# KiCad board alpha-curISO_routingv6.kicad_pcb
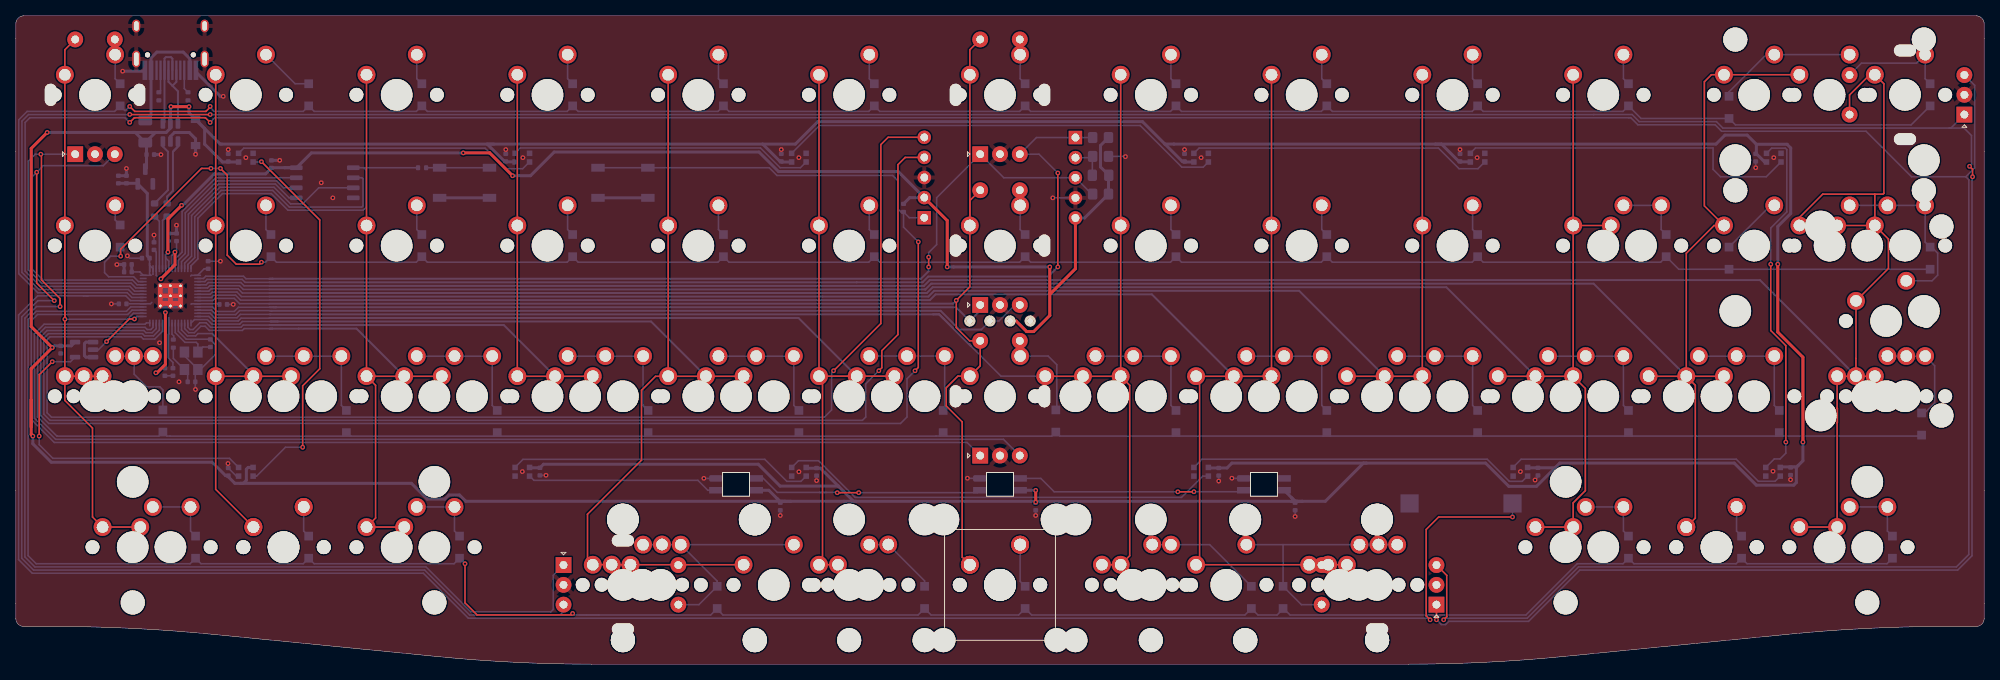
[diagram p0: board, top side]
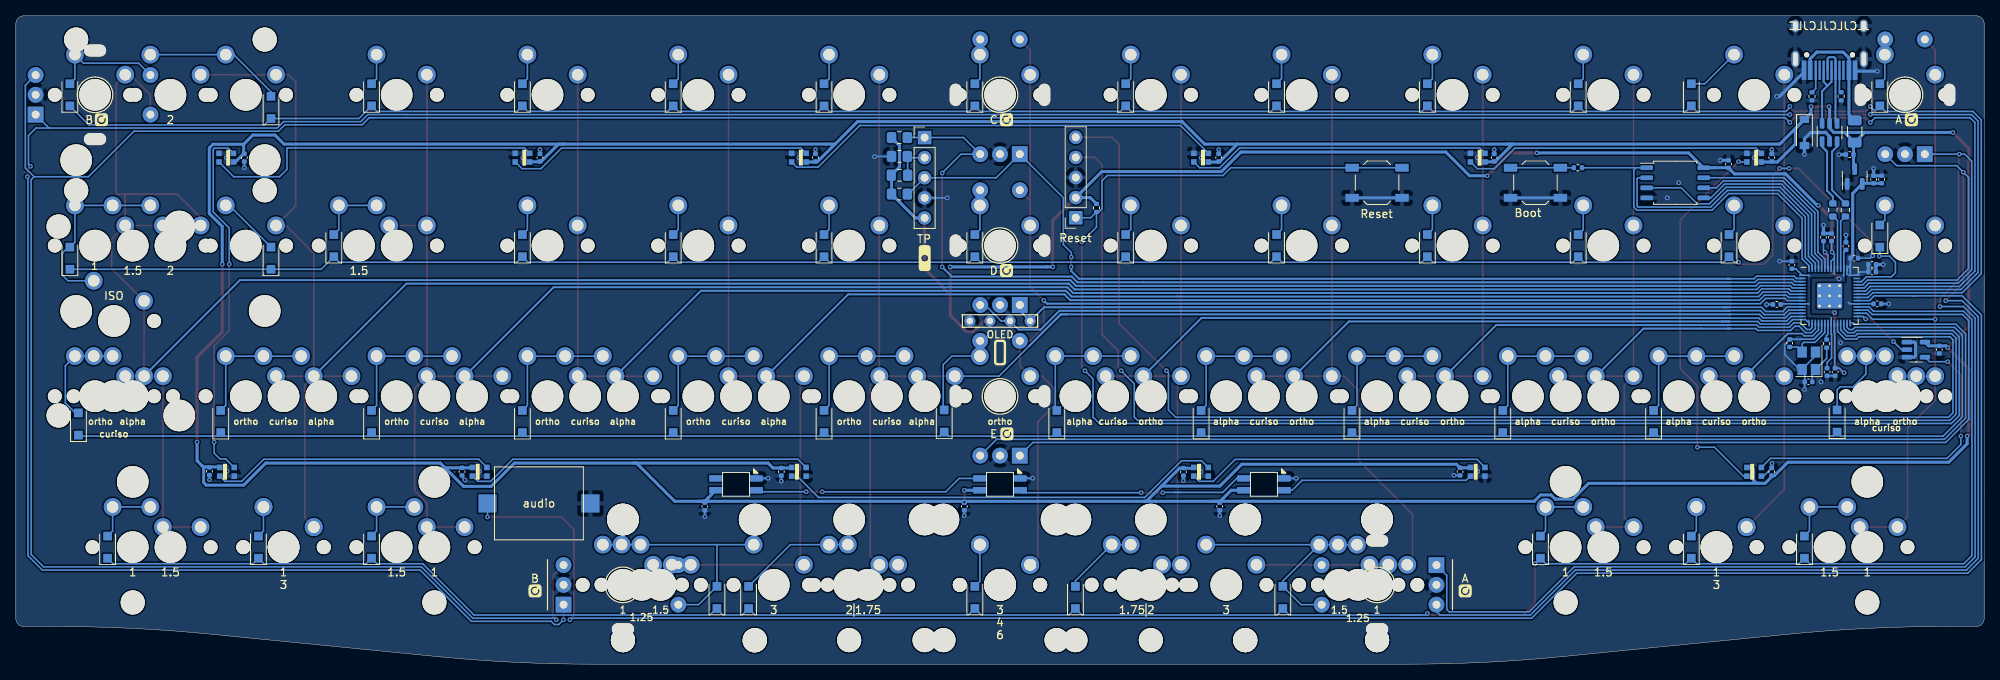
[diagram p1: board, bottom side, seen from below]

Outline 248.6 x 81.91 mm; copper layers: Top, Bottom. Coordinates in mm from the lower left corner of the outline.
Outline path: 0,80.91 0,79.03 0,64.79 0,21.88 0,5.76 arc(0.29,5.06) 1,4.76 4.89,4.76 arc(14.82,4.52) 24.74,3.78 53.18,0.97 arc(62.95,0.24) 72.74,0 175.86,0 arc(185.65,0.24) 195.42,0.97 223.86,3.78 arc(233.78,4.52) 243.72,4.76 247.6,4.76 arc(248.31,5.06) 248.6,5.76 248.6,80.91 arc(248.31,81.62) 247.6,81.91 1,81.91 arc(0.29,81.62) 0,80.91
Stack: Top 0.035mm / dielectric 1.51mm FR4 er 4.5 / Bottom 0.035mm

## Placement (name value [footprint] x y rotation side)
C1  22pF  [C_0402_1005Metric]  22.19 35.67 180 bottom
C2  22pF  [C_0402_1005Metric]  24.57 40.55 270 bottom
C3  100nF  [C_0402_1005Metric]  32.29 63.17 90 bottom
C4  1uF  [C_0402_1005Metric]  16.98 64.38 0 bottom
C5  1uF  [C_0402_1005Metric]  12.95 61.23 90 bottom
C6  10uF  [C_0402_1005Metric]  13.97 61.23 90 bottom
C7  1uF  [C_0402_1005Metric]  16.41 51.3 180 bottom
C8  100nF  [C_0402_1005Metric]  14.16 49.56 180 bottom
C9  100nF  [C_0402_1005Metric]  19.84 36.92 270 bottom
C10  1uF  [C_0402_1005Metric]  17.45 52.82 90 bottom
C11  100nF  [C_0402_1005Metric]  13.49 45.52 180 bottom
C12  100nF  [C_0402_1005Metric]  20.3 53.93 90 bottom
C13  100nF  [C_0402_1005Metric]  26.19 45.45 0 bottom
C14  100nF  [C_0402_1005Metric]  18.83 36.92 270 bottom
C15  100nF  [C_0402_1005Metric]  19.28 53.93 90 bottom
C16  100nF  [C_0402_1005Metric]  14.16 50.49 180 bottom
C17  100nF  [C_0402_1005Metric]  24.29 50.43 90 bottom
C18  2.2uF  [C_0805_2012Metric_Pad1.18x1.45mm_HandSolder]  137 61.77 180 bottom
C19  100nF  [C_0402_1005Metric]  5.67 39.74 90 bottom
C20  100nF  [C_0402_1005Metric]  26.83 24.31 270 bottom
C21  100nF  [C_0402_1005Metric]  26.83 64 90 bottom
C22  100nF  [C_0402_1005Metric]  61.88 64 90 bottom
C23  100nF  [C_0402_1005Metric]  96.68 64 90 bottom
C24  100nF  [C_0402_1005Metric]  147.6 64 90 bottom
C25  100nF  [C_0402_1005Metric]  182.4 64 270 bottom
C26  100nF  [C_0402_1005Metric]  219.74 64 270 bottom
C27  100nF  [C_0402_1005Metric]  224.15 24.37 270 bottom
C28  100nF  [C_0402_1005Metric]  192.25 24.33 270 bottom
C29  100nF  [C_0402_1005Metric]  151.92 24.31 270 bottom
C30  100nF  [C_0402_1005Metric]  101.13 24.3 90 bottom
C31  100nF  [C_0402_1005Metric]  66.19 24.33 270 bottom
C32  100nF  [C_0402_1005Metric]  96.55 19.93 270 bottom
C33  100nF  [C_0402_1005Metric]  128.81 19.93 270 bottom
C34  100nF  [C_0402_1005Metric]  161.57 19.93 270 bottom
D1  D_Small  [D_SOD-123F]  13.18 71.93 90 bottom
D2  D_Small  [D_SOD-123F]  13.18 54.09 90 bottom
D3  D_Small  [D_SOD-123F]  18.57 30.72 90 bottom
D4  D_Small  [D_SOD-123F]  22.7 14.78 90 bottom
D5  D_Small  [D_SOD-123F]  36.99 71.93 90 bottom
D6  D_Small  [D_SOD-123F]  32.23 52.88 90 bottom
D7  D_Small  [D_SOD-123F]  41.75 30.66 90 bottom
D8  D_Small  [D_SOD-123F]  36.99 14.78 90 bottom
D9  D_Small  [D_SOD-123F]  51.27 71.93 90 bottom
D10  D_Small  [D_SOD-123F]  51.27 52.88 90 bottom
D11  D_Small  [D_SOD-123F]  60.8 30.66 90 bottom
D12  D_Small  [D_SOD-123F]  56.04 14.78 90 bottom
D13  D_Small  [D_SOD-123F]  70.32 71.93 90 bottom
D14  D_Small  [D_SOD-123F]  70.32 52.88 90 bottom
D15  D_Small  [D_SOD-123F]  79.85 30.66 90 bottom
D16  D_Small  [D_SOD-123F]  89.38 71.93 90 bottom
D17  D_Small  [D_SOD-123F]  89.38 52.88 90 bottom
D18  D_Small  [D_SOD-123F]  98.9 30.66 90 bottom
D19  D_Small  [D_SOD-123F]  88.58 8.43 90 bottom
D20  D_Small  [D_SOD-123F]  108.42 71.93 90 bottom
D21  D_Small  [D_SOD-123F]  108.42 52.88 90 bottom
D22  D_Small  [D_SOD-123F]  117.12 30.66 90 bottom
D23  D_Small  [D_SOD-123F]  114.78 8.43 90 bottom
D24  D_Small  [D_SOD-123F]  127.47 8.43 90 bottom
D25  D_Small  [D_SOD-123F]  127.47 71.93 90 bottom
D26  D_Small  [D_SOD-123F]  127.47 52.88 90 bottom
D27  D_Small  [D_SOD-123F]  146.53 71.93 90 bottom
D28  D_Small  [D_SOD-123F]  146.53 52.88 90 bottom
D29  D_Small  [D_SOD-123F]  146.53 30.66 90 bottom
D30  D_Small  [D_SOD-123F]  156.05 8.43 90 bottom
D31  D_Small  [D_SOD-123F]  165.57 71.93 90 bottom
D32  D_Small  [D_SOD-123F]  165.57 52.88 90 bottom
D33  D_Small  [D_SOD-123F]  165.57 30.66 90 bottom
D34  D_Small  [D_SOD-123F]  160.05 8.43 90 bottom
D35  D_Small  [D_SOD-123F]  184.62 71.93 90 bottom
D36  D_Small  [D_SOD-123F]  184.62 52.88 90 bottom
D37  D_Small  [D_SOD-123F]  184.62 30.66 90 bottom
D38  D_Small  [D_SOD-123F]  203.67 71.93 90 bottom
D39  D_Small  [D_SOD-123F]  208.44 52.88 90 bottom
D40  D_Small  [D_SOD-123F]  203.67 30.66 90 bottom
D41  D_Small  [D_SOD-123F]  203.67 14.78 90 bottom
D42  D_Small  [D_SOD-123F]  216.38 70.35 90 bottom
D43  D_Small  [D_SOD-123F]  216.38 51.3 90 bottom
D44  D_Small  [D_SOD-123F]  222.72 30.66 90 bottom
D45  D_Small  [D_SOD-123F]  217.96 14.78 90 bottom
D46  D_Small  [D_SOD-123F]  241.78 71.93 90 bottom
D47  D_Small  [D_SOD-123F]  241.78 51.3 90 bottom
D48  D_Small  [D_SOD-123F]  240.7 30.34 90 bottom
D49  D_Small  [D_SOD-123F]  237.01 14.78 90 bottom
D50  D_Small  [D_SOD-123F]  131.35 30.72 90 bottom
D_PWR1  SMF9.0CA  [D_SOD-123]  22.7 67.17 270 bottom
F1  500mA  [Fuse_1206_3216Metric]  16.35 67.3 270 bottom
G***  -  [LOGO]  183.04 9.23 180 bottom
G***#2  -  [LOGO]  123.51 49.71 180 bottom
G***#3  -  [LOGO]  123.51 68.76 180 bottom
G***#4  -  [LOGO]  124.3 39.39 180 bottom
G***#5  -  [LOGO]  237.81 68.76 180 bottom
G***#6  -  [LOGO]  123.44 29.07 180 bottom
G***#7  -  [LOGO]  133.82 51.3 180 bottom
G***#8  -  [LOGO]  65.56 9.23 180 bottom
G***#9  -  [LOGO]  9.21 68.76 180 bottom
J1  SWD  [PinSocket_1x05_P2.54mm_Vertical]  114.74 56.41 0 bottom
J2  SWD  [PinSocket_1x05_P2.54mm_Vertical]  133.82 66.54 0 top
LED1  YS-SK6812MINI-E  [SK6812-MINI-E]  90.96 22.72 180 bottom
LED2  YS-SK6812MINI-E  [SK6812-MINI-E]  124.3 22.72 180 bottom
LED3  YS-SK6812MINI-E  [SK6812-MINI-E]  157.64 22.72 180 bottom
LED4  YS-SK6812MINI-E  [WS2812-2020]  63.97 64 180 bottom
LED5  YS-SK6812MINI-E  [WS2812-2020]  98.9 64 180 bottom
LED6  YS-SK6812MINI-E  [WS2812-2020]  149.7 64 180 bottom
LED7  YS-SK6812MINI-E  [WS2812-2020]  184.62 64 180 bottom
LED8  YS-SK6812MINI-E  [WS2812-2020]  222.03 64 180 bottom
LED9  YS-SK6812MINI-E  [WS2812-2020]  221.93 24.31 0 bottom
LED10  YS-SK6812MINI-E  [WS2812-2020]  29.05 24.31 0 bottom
LED11  YS-SK6812MINI-E  [WS2812-2020]  29.05 64 180 bottom
LED12  YS-SK6812MINI-E  [WS2812-2020]  190.02 24.31 0 bottom
LED13  YS-SK6812MINI-E  [WS2812-2020]  149.7 24.31 0 bottom
LED14  YS-SK6812MINI-E  [WS2812-2020]  98.91 24.31 0 bottom
LED15  YS-SK6812MINI-E  [WS2812-2020]  63.97 24.31 0 bottom
LS1  Speaker  [AST1109MLTRQ]  182.53 20.31 180 bottom
OL1  OLED  [OLED_v2]  124.3 43.36 0 top
R1  27R  [R_0603_1608Metric]  19.11 57.38 270 bottom
R2  27R  [R_0603_1608Metric]  17.52 57.38 270 bottom
R3  1k  [R_0402_1005Metric]  112.11 57.65 270 bottom
R4  5k1  [R_0402_1005Metric]  18.06 71.74 270 bottom
R5  5k1  [R_0402_1005Metric]  21.75 71.74 270 bottom
R6  1k  [R_0402_1005Metric]  51.31 62.72 180 bottom
R7  1k  [R_0402_1005Metric]  19.89 40.5 90 bottom
SW1  SW_Push_45deg  [MXOnly-1U-NoLED]  10 71.93 0 top
SW2  SW_Push_45deg  [MXOnly-1U-NoLED]  29.05 71.93 0 top
SW3  SW_Push_45deg  [MXOnly-1U-NoLED]  48.1 71.93 0 top
SW4  SW_Push_45deg  [MXOnly-1U-NoLED]  67.15 71.93 0 top
SW5  SW_Push_45deg  [MXOnly-1U-NoLED]  86.2 71.93 0 top
SW6  SW_Push_45deg  [MXOnly-1U-NoLED]  105.25 71.93 0 top
SW7  SW_Push_45deg  [MXOnly-1U-NoLED]  124.3 71.93 0 top
SW8  SW_Push_45deg  [MXOnly-1U-NoLED]  143.35 71.93 0 top
SW9  SW_Push_45deg  [MXOnly-1U-NoLED]  162.4 71.93 0 top
SW10  SW_Push_45deg  [MXOnly-1U-NoLED]  181.45 71.93 0 top
SW11  SW_Push_45deg  [MXOnly-1U-NoLED]  200.5 71.93 0 top
SW12  SW_Push_45deg  [MXOnly-1U-NoLED]  219.55 71.93 0 top
SW12(2)1  SW_Push_45deg  [MXOnly-2U-NoLED]  229.07 71.93 0 top
SW13  SW_Push_45deg  [MXOnly-1U-NoLED]  238.6 71.93 0 top
SW14  SW_Push_45deg  [MXOnly-1U-NoLED]  10 52.88 0 top
SW15  SW_Push_45deg  [MXOnly-1U-NoLED]  29.05 52.88 0 top
SW16  SW_Push_45deg  [MXOnly-1U-NoLED]  48.1 52.88 0 top
SW17  SW_Push_45deg  [MXOnly-1U-NoLED]  67.15 52.88 0 top
SW18  SW_Push_45deg  [MXOnly-1U-NoLED]  86.2 52.88 0 top
SW19  SW_Push_45deg  [MXOnly-1U-NoLED]  105.25 52.88 0 top
SW20  SW_Push_45deg  [MXOnly-1U-NoLED]  124.3 52.88 0 top
SW21  SW_Push_45deg  [MXOnly-1U-NoLED]  143.35 52.88 0 top
SW22  SW_Push_45deg  [MXOnly-1U-NoLED]  162.4 52.88 0 top
SW23  SW_Push_45deg  [MXOnly-1U-NoLED]  181.45 52.88 0 top
SW24  SW_Push_45deg  [MXOnly-1U-NoLED]  200.5 52.88 0 top
SW24(1.5)1  SW_Push_45deg  [MXOnly-1.5U-NoLED]  205.26 52.88 0 top
SW25  SW_Push_45deg  [MXOnly-1U-NoLED]  219.55 52.88 0 top
SW26  SW_Push_45deg  [MXOnly-1U-NoLED]  238.6 52.88 0 top
SW26(1.5)1  SW_Push_45deg  [MXOnly-1.5U-NoLED]  233.84 52.88 0 top
SW26(2)1  SW_Push_45deg  [MXOnly-2U-NoLED]  229.07 52.88 0 top
SW26(ISO)1  SW_Push_45deg  [MXOnly-ISO-ReversedStabilizers-NoLED]  236.22 43.36 0 top
SW27  SW_Push  [SW_SPST_TL3342]  56.67 60.82 0 bottom
SW27(1.5)1  SW_Push_45deg  [MXOnly-1.5U-NoLED]  14.76 33.85 0 top
SW27(1.25)1  SW_Push_45deg  [MXOnly-1.25U-NoLED]  12.38 33.85 0 top
SW27(ortho)1  SW_Push_45deg  [MXOnly-1U-NoLED]  10 33.85 0 top
SW28  SW_Push_45deg  [MXOnly-1U-NoLED]  33.81 33.85 0 top
SW28(1.5stagger)1  SW_Push_45deg  [MXOnly-1U-NoLED]  38.58 33.85 0 top
SW28(ortho)1  SW_Push_45deg  [MXOnly-1U-NoLED]  29.05 33.85 0 top
SW29  SW_Push_45deg  [MXOnly-1U-NoLED]  52.86 33.85 0 top
SW29(1.5stagger)1  SW_Push_45deg  [MXOnly-1U-NoLED]  57.63 33.85 0 top
SW29(ortho)1  SW_Push_45deg  [MXOnly-1U-NoLED]  48.1 33.85 0 top
SW30  SW_Push_45deg  [MXOnly-1U-NoLED]  71.91 33.85 0 top
SW30(1.5stagger)1  SW_Push_45deg  [MXOnly-1U-NoLED]  76.68 33.85 0 top
SW30(ortho)1  SW_Push_45deg  [MXOnly-1U-NoLED]  67.15 33.85 0 top
SW31  SW_Push_45deg  [MXOnly-1U-NoLED]  90.96 33.85 0 top
SW31(1.5stagger)1  SW_Push_45deg  [MXOnly-1U-NoLED]  95.72 33.85 0 top
SW31(ortho)1  SW_Push_45deg  [MXOnly-1U-NoLED]  86.2 33.85 0 top
SW32  SW_Push_45deg  [MXOnly-1U-NoLED]  110.01 33.85 0 top
SW32(1.5stagger)1  SW_Push_45deg  [MXOnly-1U-NoLED]  114.78 33.85 0 top
SW32(ortho)1  SW_Push_45deg  [MXOnly-1U-NoLED]  105.25 33.85 0 top
SW33  SW_Push_45deg  [MXOnly-1U-NoLED]  138.59 33.85 0 top
SW33(1.5stagger)1  SW_Push_45deg  [MXOnly-1U-NoLED]  133.82 33.85 0 top
SW33(ortho)1  SW_Push_45deg  [MXOnly-1U-NoLED]  143.35 33.85 0 top
SW34  SW_Push_45deg  [MXOnly-1U-NoLED]  157.64 33.85 0 top
SW34(1.5stagger)1  SW_Push_45deg  [MXOnly-1U-NoLED]  152.88 33.85 0 top
SW34(ortho)1  SW_Push_45deg  [MXOnly-1U-NoLED]  162.4 33.85 0 top
SW35  SW_Push_45deg  [MXOnly-1U-NoLED]  176.69 33.85 0 top
SW35(1.5stagger)1  SW_Push_45deg  [MXOnly-1U-NoLED]  171.92 33.85 0 top
SW35(ortho)1  SW_Push_45deg  [MXOnly-1U-NoLED]  181.45 33.85 0 top
SW36  SW_Push_45deg  [MXOnly-1U-NoLED]  195.74 33.85 0 top
SW36(1.5stagger)1  SW_Push_45deg  [MXOnly-1U-NoLED]  190.97 33.85 0 top
SW36(ortho)1  SW_Push_45deg  [MXOnly-1U-NoLED]  200.5 33.85 0 top
SW37  SW_Push_45deg  [MXOnly-1U-NoLED]  214.79 33.85 0 top
SW37(1.5stagger)1  SW_Push_45deg  [MXOnly-1U-NoLED]  210.03 33.85 0 top
SW37(ortho)1  SW_Push_45deg  [MXOnly-1U-NoLED]  219.55 33.85 0 top
SW38  SW_Push  [SW_SPST_TL3342]  76.68 60.82 180 bottom
SW38(1.5)1  SW_Push_45deg  [MXOnly-1.5U-NoLED]  233.84 33.85 0 top
SW38(1.25)1  SW_Push_45deg  [MXOnly-1.25U-NoLED]  236.22 33.85 0 top
SW38(ortho)1  SW_Push_45deg  [MXOnly-1U-NoLED]  238.6 33.85 0 top
SW39  SW_Push_45deg  [MXOnly-1U-NoLED]  14.76 14.78 0 top
SW39(1.5)1  SW_Push_45deg  [MXOnly-1.5U-NoLED]  19.52 14.78 0 top
SW40  SW_Push_45deg  [MXOnly-1U-NoLED]  33.81 14.78 0 top
SW40(3)1  SW_Push_45deg  [MXOnly-3U-ReversedStabilizers-NoLED]  33.81 14.78 0 top
SW41  SW_Push_45deg  [MXOnly-1U-NoLED]  52.86 14.78 0 top
SW41(1.5)1  SW_Push_45deg  [MXOnly-1.5U-NoLED]  48.1 14.78 0 top
SW42(1)1  SW_Push_45deg  [MXOnly-1U-NoLED]  76.68 10.02 0 top
SW42(1.5)1  SW_Push_45deg  [MXOnly-1.5U-NoLED]  81.44 10.02 0 top
SW42(1.25)1  SW_Push_45deg  [MXOnly-1.25U-NoLED]  79.07 10.03 0 top
SW42(3)1  SW_Push_45deg  [MXOnly-3U-ReversedStabilizers-NoLED]  95.72 10.02 0 top
SW43(1.75)1  SW_Push_45deg  [MXOnly-1.75U-NoLED]  107.65 10.03 0 top
SW43(2)1  SW_Push_45deg  [MXOnly-2U-ReversedStabilizers-NoLED]  105.25 10.02 0 top
SW44(3)1  SW_Push_45deg  [MXOnly-3U-ReversedStabilizers-NoLED]  124.3 10.02 0 top
SW44(4)1  SW_Push_45deg  [CherryMX_4.00u]  124.3 10.02 0 top
SW44(6)1  SW_Push_45deg  [MXOnly-6U-Centered-ReversedStabilizers-NoLED]  124.3 10.02 0 top
SW45(1.75)1  SW_Push_45deg  [MXOnly-1.75U-NoLED]  140.98 10.03 0 top
SW45(2)1  SW_Push_45deg  [MXOnly-2U-ReversedStabilizers-NoLED]  143.35 10.02 0 top
SW46(1)1  SW_Push_45deg  [MXOnly-1U-NoLED]  171.92 10.02 0 top
SW46(1.5)1  SW_Push_45deg  [MXOnly-1.5U-NoLED]  167.16 10.02 0 top
SW46(1.25)1  SW_Push_45deg  [MXOnly-1.25U-NoLED]  169.56 10.03 0 top
SW46(3)1  SW_Push_45deg  [MXOnly-3U-ReversedStabilizers-NoLED]  152.88 10.02 0 top
SW47  SW_Push_45deg  [MXOnly-1U-NoLED]  195.74 14.78 0 top
SW47(1.5)1  SW_Push_45deg  [MXOnly-1.5U-NoLED]  200.5 14.78 0 top
SW48  SW_Push_45deg  [MXOnly-1U-NoLED]  214.79 14.78 0 top
SW48(3)1  SW_Push_45deg  [MXOnly-3U-ReversedStabilizers-NoLED]  214.79 14.78 0 top
SW49  SW_Push_45deg  [MXOnly-1U-NoLED]  233.84 14.78 0 top
SW49(1.5)1  SW_Push_45deg  [MXOnly-1.5U-NoLED]  229.07 14.78 0 top
SW50(ortho)1  SW_Push_45deg  [MXOnly-1U-NoLED]  124.3 33.85 0 top
SW_rotary1  RotaryEncoder_Switch  [RotaryEncoder_EC11_Nonplated]  10 71.93 90 top
SW_rotary2  RotaryEncoder_Switch  [RotaryEncoder_EC11_Nonplated]  238.6 71.93 180 top
SW_rotary3  RotaryEncoder_Switch  [RotaryEncoder_EC11_Nonplated]  124.3 71.93 90 top
SW_rotary4  RotaryEncoder_Switch  [RotaryEncoder_EC11_Nonplated]  124.3 52.88 90 top
SW_rotary5  RotaryEncoder_Switch  [RotaryEncoder_EC11_Nonplated]  76.68 10.02 0 top
SW_rotary6  RotaryEncoder_Switch  [RotaryEncoder_EC11_Nonplated#2]  171.92 10.02 180 top
SW_rotary7  RotaryEncoder_Switch  [RotaryEncoder_EC11_Nonplated]  124.3 33.85 90 top
U1  RP2040  [RP2040-QFN-56]  19.52 46.53 180 bottom
U2  W25Q128JVS  [SOIC-8_5.23x5.23mm_P1.27mm]  39.02 60.82 180 bottom
U3  XC6206PxxxMR  [SOT-23]  16.35 61.61 90 bottom
U4  USBLC6-2SC6  [SOT-23-6]  19.52 67.17 90 bottom
U5  74AHCT1G125  [TSOT-23-5]  8.62 39.74 180 bottom
UR1  100k  [R_0805_2012Metric_Pad1.20x1.40mm_HandSolder]  137 64.15 0 bottom
UR2  4.7k  [R_0805_2012Metric_Pad1.20x1.40mm_HandSolder]  137 66.54 0 bottom
UR3  4.7k  [R_0805_2012Metric_Pad1.20x1.40mm_HandSolder]  137 59.39 180 bottom
USB1  HRO-TYPE-C-31-M-12  [HRO-TYPE-C-31-M-12-HandSoldering]  19.52 83.23 0 bottom
Y1  12MHz  [Crystal_SMD_3225-4Pin_3.2x2.5mm]  22.14 38.33 90 bottom

## Footprints (pads in the part's own frame, mm; a bottom-side part is the same pattern mirrored in y, then rotated)
AST1109MLTRQ
  rect 2.3x2.3 smd: 1(-6.5,0) 2(6.5,0)
C_0402_1005Metric
  rrect 0.56x0.62 smd: 1(-0.48,0) 2(0.48,0)
C_0805_2012Metric_Pad1.18x1.45mm_HandSolder
  rrect 1.175x1.45 smd: 1(-1.038,0) 2(1.038,0)
CherryMX_4.00u
  round 3.988 hole 3.988 unplated: (-30.988,8.255) (30.988,8.23)
  round 3.048 hole 3.048 unplated: (-30.988,-6.985) (30.988,-7.01)
  round 4 hole 4 unplated: (0,0)
  round 2.2 hole 1.5: 1(-3.81,2.54) 2(2.54,5.08)
Crystal_SMD_3225-4Pin_3.2x2.5mm
  rect 1.4x1.2 smd: 1(-1.1,-0.85) 2(1.1,-0.85) 3(1.1,0.85) 4(-1.1,0.85)
D_SOD-123
  rect 0.9x1.2 smd: 1(-1.65,0) 2(1.65,0)
D_SOD-123F
  rect 1.1x1.1 smd: 1(-1.4,0) 2(1.4,0)
Fuse_1206_3216Metric
  rrect 1.25x1.75 smd: 1(-1.4,0) 2(1.4,0)
HRO-TYPE-C-31-M-12-HandSoldering
  round 0.65 hole 0.65 unplated: (-2.89,6.25) (2.89,6.25)
  rect 0.6x2.45 smd: 1(-3.225,8.195) 2(-2.45,8.195) 11(2.45,8.195) 12(3.225,8.195)
  rect 0.3x2.45 smd: 3(-1.75,8.195) 4(-1.25,8.195) 5(-0.75,8.195) 6(-0.25,8.195) 7(0.25,8.195) 8(0.75,8.195) 9(1.25,8.195) 10(1.75,8.195)
  oval 1x1.6 hole 0.6x1.2: 13(-4.32,2.6) 13(4.32,2.6)
  oval 1x2.1 hole 0.6x1.7: 13(-4.32,6.78) 13(4.32,6.78)
MXOnly-1.5U-NoLED
  round 1.75 hole 1.75 unplated: (-5.08,0) (5.08,0)
  round 3.988 hole 3.988 unplated: (0,0)
  round 2.25 hole 1.47: 1(-3.81,2.54) 2(2.54,5.08)
MXOnly-1.25U-NoLED
  round 1.75 hole 1.75 unplated: (-5.08,0) (5.08,0)
  round 3.988 hole 3.988 unplated: (0,0)
  round 2.25 hole 1.47: 1(-3.81,2.54) 2(2.54,5.08)
MXOnly-1.75U-NoLED
  round 1.75 hole 1.75 unplated: (-5.08,0) (5.08,0)
  round 3.988 hole 3.988 unplated: (0,0)
  round 2.25 hole 1.47: 1(-3.81,2.54) 2(2.54,5.08)
MXOnly-1U-NoLED
  round 1.75 hole 1.75 unplated: (-5.08,0) (5.08,0)
  round 3.988 hole 3.988 unplated: (0,0)
  round 2.25 hole 1.47: 1(-3.81,2.54) 2(2.54,5.08)
MXOnly-2U-NoLED
  round 3.048 hole 3.048 unplated: (-11.906,6.985) (11.906,6.985)
  round 3.988 hole 3.988 unplated: (-11.906,-8.255) (0,0) (11.906,-8.255)
  round 1.75 hole 1.75 unplated: (-5.08,0) (5.08,0)
  round 2.25 hole 1.47: 1(-3.81,2.54) 2(2.54,5.08)
MXOnly-2U-ReversedStabilizers-NoLED
  round 3.988 hole 3.988 unplated: (-11.906,8.255) (0,0) (11.906,8.255)
  round 3.048 hole 3.048 unplated: (-11.906,-6.985) (11.906,-6.985)
  round 1.75 hole 1.75 unplated: (-5.08,0) (5.08,0)
  round 2.25 hole 1.47: 1(-3.81,2.54) 2(2.54,5.08)
MXOnly-3U-ReversedStabilizers-NoLED
  round 3.988 hole 3.988 unplated: (-19.05,8.255) (0,0) (19.05,8.255)
  round 3.048 hole 3.048 unplated: (-19.05,-6.985) (19.05,-6.985)
  round 1.75 hole 1.75 unplated: (-5.08,0) (5.08,0)
  round 2.25 hole 1.47: 1(-3.81,2.54) 2(2.54,5.08)
MXOnly-6U-Centered-ReversedStabilizers-NoLED
  round 3.988 hole 3.988 unplated: (-47.625,8.255) (0,0) (47.625,8.255)
  round 3.048 hole 3.048 unplated: (-47.625,-6.985) (47.625,-6.985)
  round 1.75 hole 1.75 unplated: (-5.08,0) (5.08,0)
  round 2.25 hole 1.47: 1(-3.81,2.54) 2(2.54,5.08)
MXOnly-ISO-ReversedStabilizers-NoLED
  round 3.988 hole 3.988 unplated: (-8.255,11.938) (-8.255,-11.938) (0,0)
  round 1.75 hole 1.75 unplated: (-5.08,0) (5.08,0)
  round 3.048 hole 3.048 unplated: (6.985,11.938) (6.985,-11.938)
  round 2.25 hole 1.47: 1(-3.81,2.54) 2(2.54,5.08)
OLED_v2
  round 1.397 hole 0.813: 1(-3.81,0) 2(-1.27,0) 3(1.27,0) 4(3.81,0)
PinSocket_1x05_P2.54mm_Vertical
  rect 1.7x1.7 hole 1: 1(0,0)
  oval 1.7x1.7 hole 1: 2(0,-2.54) 3(0,-5.08) 4(0,-7.62) 5(0,-10.16)
R_0402_1005Metric
  rrect 0.54x0.64 smd: 1(-0.51,0) 2(0.51,0)
R_0603_1608Metric
  rrect 0.8x0.95 smd: 1(-0.825,0) 2(0.825,0)
R_0805_2012Metric_Pad1.20x1.40mm_HandSolder
  rrect 1.2x1.4 smd: 1(-1,0) 2(1,0)
RotaryEncoder_EC11_Nonplated
  oval 3.2x2 hole 2.8x1.5 unplated: (0,5.6) (0,-5.6)
  rect 2x2 hole 1: A(-7.5,2.5)
  round 2 hole 1: B(-7.5,-2.5) C(-7.5,0) S1(7,-2.5) S2(7,2.5)
RotaryEncoder_EC11_Nonplated#2
  oval 3.2x2 hole 2.8x1.5 unplated: (0,5.6)
  rect 2x2 hole 1: A(-7.5,2.5)
  round 2 hole 1: B(-7.5,-2.5) C(-7.5,0) S1(7,-2.5) S2(7,2.5)
RP2040-QFN-56
  rrect 1.084x1.084 smd: (-0.637,-0.637) (-0.637,0.637) (0.637,-0.637) (0.637,0.637)
  rrect 0.875x0.2 smd: 1(-3.438,2.6) 2(-3.438,2.2) 3(-3.438,1.8) 4(-3.438,1.4) 5(-3.438,1) 6(-3.438,0.6) 7(-3.438,0.2) 8(-3.438,-0.2) 9(-3.438,-0.6) 10(-3.438,-1) 11(-3.438,-1.4) 12(-3.438,-1.8) 13(-3.438,-2.2) 14(-3.438,-2.6) 29(3.438,-2.6) 30(3.438,-2.2) 31(3.438,-1.8) 32(3.438,-1.4) 33(3.438,-1) 34(3.438,-0.6) 35(3.438,-0.2) 36(3.438,0.2) 37(3.438,0.6) 38(3.438,1) 39(3.438,1.4) 40(3.438,1.8) 41(3.438,2.2) 42(3.438,2.6)
  rrect 0.2x0.875 smd: 15(-2.6,-3.438) 16(-2.2,-3.438) 17(-1.8,-3.438) 18(-1.4,-3.438) 19(-1,-3.438) 20(-0.6,-3.438) 21(-0.2,-3.438) 22(0.2,-3.438) 23(0.6,-3.438) 24(1,-3.438) 25(1.4,-3.438) 26(1.8,-3.438) 27(2.2,-3.438) 28(2.6,-3.438) 43(2.6,3.438) 44(2.2,3.438) 45(1.8,3.438) 46(1.4,3.438) 47(1,3.438) 48(0.6,3.438) 49(0.2,3.438) 50(-0.2,3.438) 51(-0.6,3.438) 52(-1,3.438) 53(-1.4,3.438) 54(-1.8,3.438) 55(-2.2,3.438) 56(-2.6,3.438)
  round 0.6 hole 0.35: 57(-1.275,-1.275) 57(-1.275,0) 57(-1.275,1.275) 57(0,-1.275) 57(0,0) 57(0,1.275) 57(1.275,-1.275) 57(1.275,0) 57(1.275,1.275)
  rrect 3.2x3.2 smd: 57(0,0)
SK6812-MINI-E
  rect 1.7x0.82 smd: 1(-2.55,-0.75) 2(-2.55,0.75) 4(2.55,-0.75)
  rrect 1.7x0.82 smd: 3(2.55,0.75)
SOIC-8_5.23x5.23mm_P1.27mm
  rrect 1.6x0.6 smd: 1(-3.6,1.905) 2(-3.6,0.635) 3(-3.6,-0.635) 4(-3.6,-1.905) 5(3.6,-1.905) 6(3.6,-0.635) 7(3.6,0.635) 8(3.6,1.905)
SOT-23
  rrect 1.475x0.6 smd: 1(-0.938,0.95) 2(-0.938,-0.95) 3(0.938,0)
SOT-23-6
  rrect 1.325x0.6 smd: 1(-1.137,0.95) 2(-1.137,0) 3(-1.137,-0.95) 4(1.137,-0.95) 5(1.137,0) 6(1.137,0.95)
SW_SPST_TL3342
  rect 1.7x1 smd: 1(-3.15,1.9) 1(3.15,1.9) 2(-3.15,-1.9) 2(3.15,-1.9)
TSOT-23-5
  rrect 1.325x0.6 smd: 1(-1.137,0.95) 2(-1.137,0) 3(-1.137,-0.95) 4(1.137,-0.95) 5(1.137,0.95)
WS2812-2020
  rect 0.7x0.7 smd: 1(0.915,-0.55) 2(0.915,0.55) 3(-0.915,0.55) 4(-0.915,-0.55)
